# Altium PCB Slave.PcbDoc (part 1 of 10)
Units mm, origin at the board's own origin, x right, y up, seen from the top; angles counter-clockwise.
Board outline 380 x 63 mm, 4 copper layers (Top Copper, Signal Layer 1, Signal Layer 2, Bottom Copper), stack 1.586 mm thick; 259 components, 195 nets, 816 pads, 23336 vias.
Unrouted connection lines stored in the file: 47.
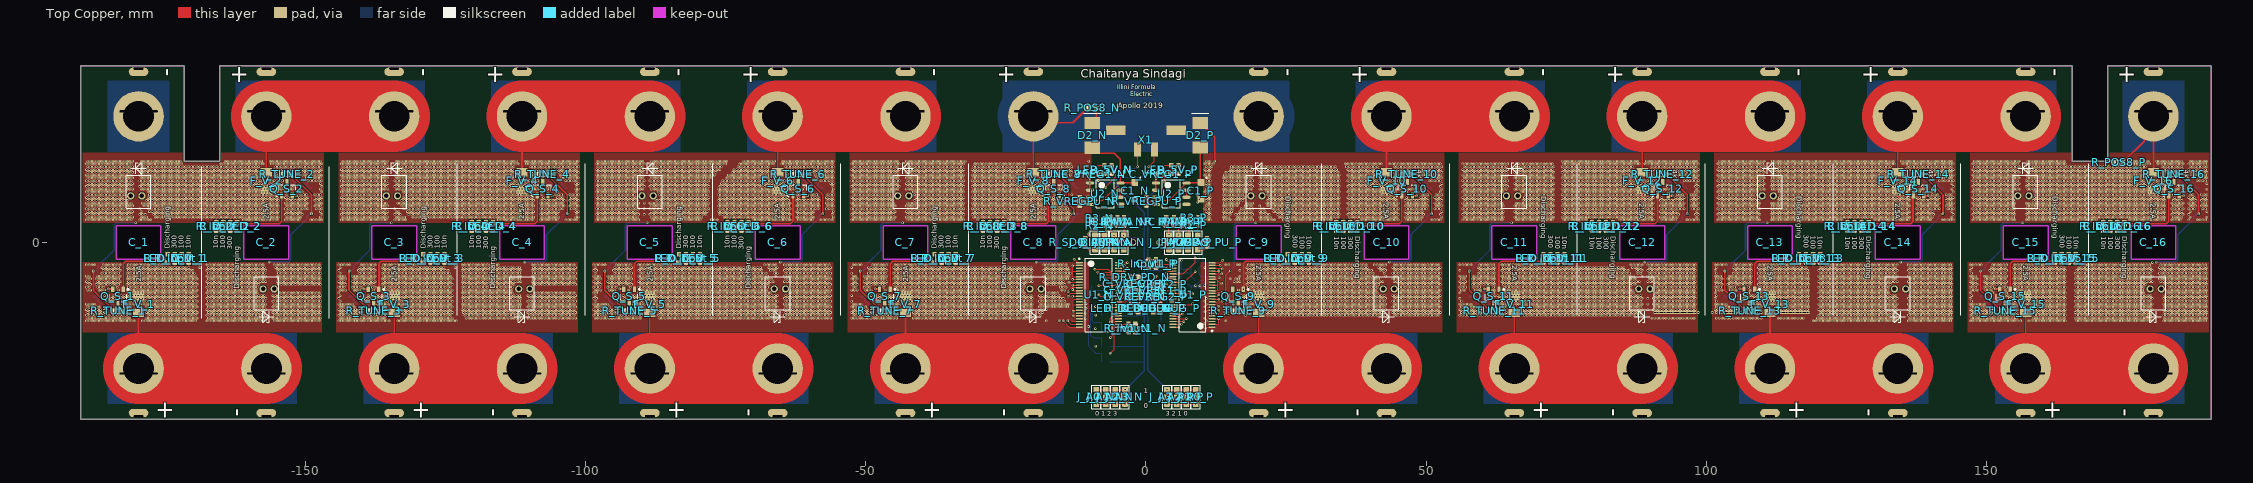
[diagram p0: Top Copper view]
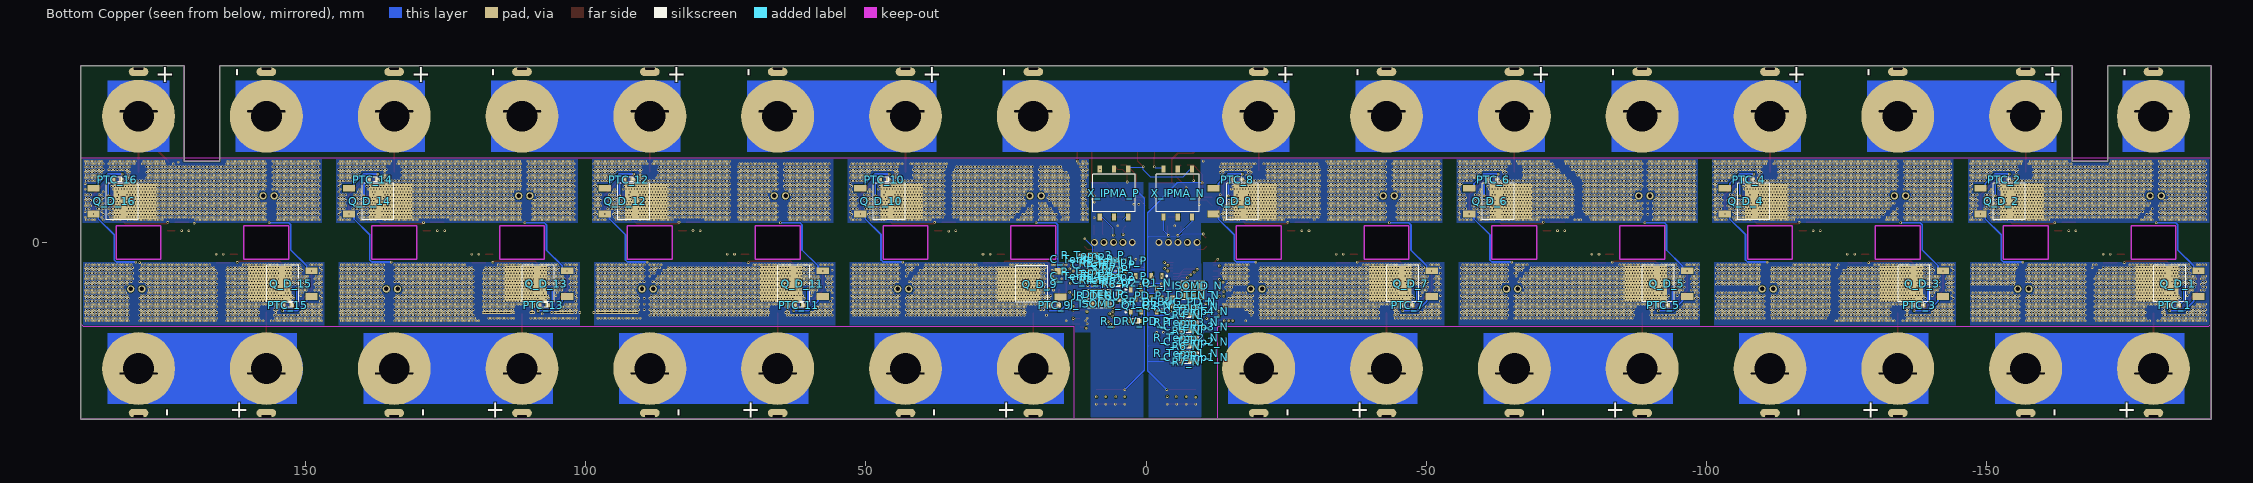
[diagram p1: Bottom Copper view, seen from below]
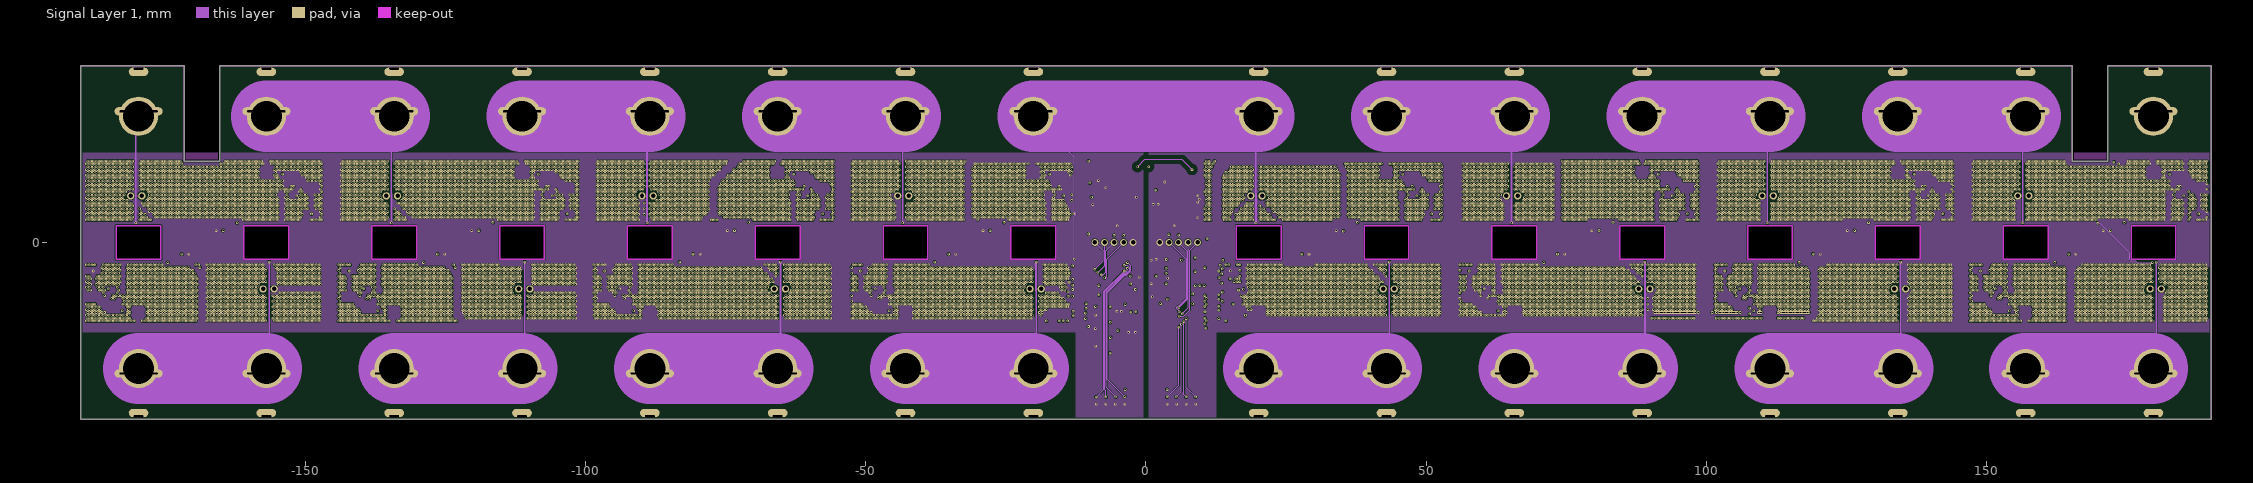
[diagram p2: Signal Layer 1]
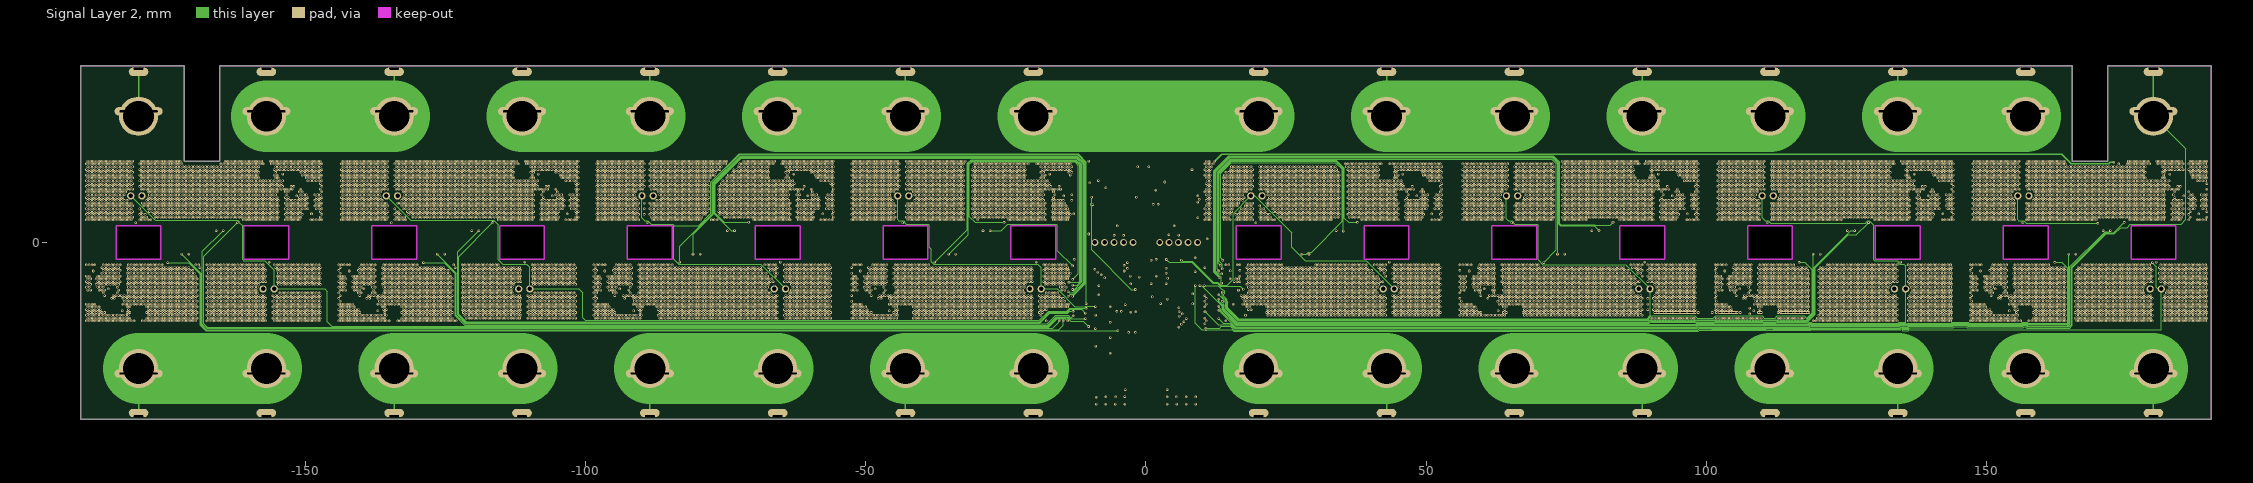
[diagram p3: Signal Layer 2]

## Layer stack, top to bottom
Top Mask: solder mask 0.01, Solder Resist, Dk 3.8
Top Copper: signal copper 0.035
Dielectric 1: prepreg 0.1803, PP-021, Dk 4.7
Signal Layer 1: signal copper 0.0175
Core: core 1.12, FR-4, Dk 4.5
Signal Layer 2: signal copper 0.0175
Dielectric 2: prepreg 0.1803, PP-021, Dk 4.7
Bottom Copper: signal copper 0.035
Bottom Mask: solder mask 0.1, Solder Resist, Dk 3.8

## Board outline
-190,-31.5 -190,31.5 -171.58,31.5 -171.58,14.5 -165.23,14.5 -165.23,31.5 165.23,31.5 165.23,14.5 171.58,14.5 171.58,31.5 190,31.5 190,-31.5

## Design rules (kind name [scope] priority, off if disabled: settings)
Clearance "Schematic Clearance Constraint" [InNetClass('ISO')] p1: gap=0.813 ignorepadtopadclearanceinfootprint=FALSE
Clearance "Board Outline" [OnLayer('Keep-Out Layer')] p2: gap=0.2 ignorepadtopadclearanceinfootprint=TRUE
Clearance [All] p3: gap=0.102 ignorepadtopadclearanceinfootprint=TRUE
ComponentClearance [All] p1: gap=0 collisioncheckmode=3 verticalgap=0 showdistances=FALSE
FanoutControl Fanout_SOIC [IsSOIC] p3: bgadir=Out bgaviamode=Centered fanoutstyle=Auto fanoutdirection=InThenOut viagrid=0.025 // Fanout_SOIC (Default Rule)
HoleSize [All] p1: absolutevalues=TRUE maxlimit=0.5 minlimit=0.2 maxpercent=80.000 minpercent=20.000
MinimumAnnularRing [All] p1: minimumring=0.076
PolygonConnect "Power components" [HasFootprint('FUSE1206') OR (HasFootprint('TO252') OR HasFootprint('NTC-0603'))] p1: connectstyle=Direct reliefconductorwidth=0.254 reliefentries=4 polygonreliefangle="90 Angle" airgapwidth=0.254
PolygonConnect [All] p2: thpad.connectstyle=Relief thpad.reliefconductorwidth=0.254 thpad.reliefentries=4 thpad.polygonreliefangle="90 Angle" thpad.airgapwidth=0.254 smdpad.connectstyle=Relief smdpad.reliefconductorwidth=0.254 smdpad.reliefentries=4 smdpad.polygonreliefangle="90 Angle" smdpad.airgapwidth=0.254 via.connectstyle=Direct via.reliefconductorwidth=0.254 via.reliefentries=4 via.polygonreliefangle="90 Angle" via.airgapwidth=0.254
RoomDefinition 16 [InComponentClass('16')] p1: confinementstyle=ConfineIn formatcopy=TRUE lockcomponents=FALSE outline 190,32.525 167.2,32.525 167.2,-32.5 190,-32.5
RoomDefinition 15 [InComponentClass('15')] p2: confinementstyle=ConfineIn formatcopy=TRUE lockcomponents=FALSE outline 144.4,-32.5 167.2,-32.5 167.2,32.525 144.4,32.525
RoomDefinition 12 [InComponentClass('12')] p3: confinementstyle=ConfineIn formatcopy=TRUE lockcomponents=FALSE outline 98.8,32.525 76,32.525 76,-32.5 98.8,-32.5
RoomDefinition 11 [InComponentClass('11')] p4: confinementstyle=ConfineIn formatcopy=TRUE lockcomponents=FALSE outline 53.2,-32.5 76,-32.5 76,32.525 53.2,32.525
RoomDefinition 10 [InComponentClass('10')] p5: confinementstyle=ConfineIn formatcopy=TRUE lockcomponents=FALSE outline 53.2,32.525 30.4,32.525 30.4,-32.5 53.2,-32.5
RoomDefinition 9 [InComponentClass('9')] p6: confinementstyle=ConfineIn formatcopy=TRUE lockcomponents=FALSE outline 7.6,-32.5 30.4,-32.5 30.4,32.525 7.6,32.525
RoomDefinition 8 [InComponentClass('8')] p7: confinementstyle=ConfineIn formatcopy=TRUE lockcomponents=FALSE outline -7.6,32.5 -30.4,32.5 -30.4,-32.525 -7.6,-32.525
RoomDefinition 7 [InComponentClass('7')] p8: confinementstyle=ConfineIn formatcopy=TRUE lockcomponents=FALSE outline -53.2,-32.525 -30.4,-32.525 -30.4,32.5 -53.2,32.5
RoomDefinition 6 [InComponentClass('6')] p9: confinementstyle=ConfineIn formatcopy=TRUE lockcomponents=FALSE outline -53.2,32.5 -76,32.5 -76,-32.525 -53.2,-32.525
RoomDefinition 5 [InComponentClass('5')] p10: confinementstyle=ConfineIn formatcopy=TRUE lockcomponents=FALSE outline -98.8,-32.525 -76,-32.525 -76,32.5 -98.8,32.5
RoomDefinition 4 [InComponentClass('4')] p11: confinementstyle=ConfineIn formatcopy=TRUE lockcomponents=FALSE outline -98.8,32.5 -121.6,32.5 -121.6,-32.525 -98.8,-32.525
RoomDefinition 3 [InComponentClass('3')] p12: confinementstyle=ConfineIn formatcopy=TRUE lockcomponents=FALSE outline -144.4,-32.525 -121.6,-32.525 -121.6,32.5 -144.4,32.5
RoomDefinition 2 [InComponentClass('2')] p13: confinementstyle=ConfineIn formatcopy=TRUE lockcomponents=FALSE outline -144.4,32.5 -167.2,32.5 -167.2,-32.525 -144.4,-32.525
RoomDefinition 1 [InComponentClass('1')] p14: confinementstyle=ConfineIn formatcopy=TRUE lockcomponents=FALSE outline -190,-32.525 -167.2,-32.525 -167.2,32.5 -190,32.5
RoomDefinition 14 [InComponentClass('14')] p15: confinementstyle=ConfineIn formatcopy=TRUE lockcomponents=FALSE outline 144.4,32.525 121.6,32.525 121.6,-32.5 144.4,-32.5
RoomDefinition 13 [InComponentClass('13')] p16: confinementstyle=ConfineIn formatcopy=TRUE lockcomponents=FALSE outline 98.8,-32.5 121.6,-32.5 121.6,32.525 98.8,32.525
RoutingVias [All] p1: holewidth=0.2 width=0.45 viastyle="Through Hole" minholewidth=0.2 minwidth=0.45 maxholewidth=0.4 maxwidth=1
SolderMaskExpansion [All] p1: expansion=0.102
ViasUnderSMD [All] p1: allowed=TRUE
Width [All] p1: maxlimit=10 minlimit=0.102 preferedwidth=0.254
27 further rules are at their usual default settings.

## Classes and differential pairs
net class ISO: IMA_ISO IPA_ISO
channel class Half_Slave: N P
channel class Cells: U_Cells1 U_Cells2
channel class Cell: 1 2 3 4 5 6 7 8 9 10 11 12 13 14 15 16
component class Slave: X1
component class P: C1_P C_IPMA_P C_Temp1_P C_Temp2_P C_Temp3_P C_Temp4_P C_V1_P C_VREF1_P C_VREF2_P C_VREG1_P C_VREG2_P D2_P J_A0_P J_A1_P J_A2_P J_A3_P J_DTEN_P J_IBIAS_P J_ICMP_P J_IMA_P J_IPA_P J_ISOMD_P LED_5V_P LED_DEBUG_P Q1_P Q2_P R2_P R3_P R4_P R5_P R6_P R7_P R_5V_P R_DEBUG_P R_DEBUG_PD_P R_DRV_PD_P R_IMA_P R_Input1_P R_IPA_P R_POS8_P R_SDO_PU_P R_Temp1_P R_Temp2_P R_Temp3_P R_Temp4_P R_VREGPU_P U1_P U2_P X_IPMA_P
component class N: C1_N C_IPMA_N C_Temp1_N C_Temp2_N C_Temp3_N C_Temp4_N C_V1_N C_VREF1_N C_VREF2_N C_VREG1_N C_VREG2_N D2_N J_A0_N J_A1_N J_A2_N J_A3_N J_DTEN_N J_IBIAS_N J_ICMP_N J_IMA_N J_IPA_N J_ISOMD_N LED_5V_N LED_DEBUG_N Q1_N Q2_N R2_N R3_N R4_N R5_N R6_N R7_N R_5V_N R_DEBUG_N R_DEBUG_PD_N R_DRV_PD_N R_IMA_N R_Input1_N R_IPA_N R_POS8_N R_SDO_PU_N R_Temp1_N R_Temp2_N R_Temp3_N R_Temp4_N R_VREGPU_N U1_N U2_N X_IPMA_N
component class 16: C_16 C_V_16 F_V_16 LED_D_16 PTC_16 Q_D_16 Q_S_16 R_D_LED_16 R_Input_16 R_TUNE_16
component class 15: C_15 C_V_15 F_V_15 LED_D_15 PTC_15 Q_D_15 Q_S_15 R_D_LED_15 R_Input_15 R_TUNE_15
component class 14: C_14 C_V_14 F_V_14 LED_D_14 PTC_14 Q_D_14 Q_S_14 R_D_LED_14 R_Input_14 R_TUNE_14
component class 13: C_13 C_V_13 F_V_13 LED_D_13 PTC_13 Q_D_13 Q_S_13 R_D_LED_13 R_Input_13 R_TUNE_13
component class 12: C_12 C_V_12 F_V_12 LED_D_12 PTC_12 Q_D_12 Q_S_12 R_D_LED_12 R_Input_12 R_TUNE_12
component class 11: C_11 C_V_11 F_V_11 LED_D_11 PTC_11 Q_D_11 Q_S_11 R_D_LED_11 R_Input_11 R_TUNE_11
component class 10: C_10 C_V_10 F_V_10 LED_D_10 PTC_10 Q_D_10 Q_S_10 R_D_LED_10 R_Input_10 R_TUNE_10
component class 9: C_9 C_V_9 F_V_9 LED_D_9 PTC_9 Q_D_9 Q_S_9 R_D_LED_9 R_Input_9 R_TUNE_9
component class 8: C_8 C_V_8 F_V_8 LED_D_8 PTC_8 Q_D_8 Q_S_8 R_D_LED_8 R_Input_8 R_TUNE_8
component class 7: C_7 C_V_7 F_V_7 LED_D_7 PTC_7 Q_D_7 Q_S_7 R_D_LED_7 R_Input_7 R_TUNE_7
component class 6: C_6 C_V_6 F_V_6 LED_D_6 PTC_6 Q_D_6 Q_S_6 R_D_LED_6 R_Input_6 R_TUNE_6
component class 5: C_5 C_V_5 F_V_5 LED_D_5 PTC_5 Q_D_5 Q_S_5 R_D_LED_5 R_Input_5 R_TUNE_5
component class 4: C_4 C_V_4 F_V_4 LED_D_4 PTC_4 Q_D_4 Q_S_4 R_D_LED_4 R_Input_4 R_TUNE_4
component class 3: C_3 C_V_3 F_V_3 LED_D_3 PTC_3 Q_D_3 Q_S_3 R_D_LED_3 R_Input_3 R_TUNE_3
component class 2: C_2 C_V_2 F_V_2 LED_D_2 PTC_2 Q_D_2 Q_S_2 R_D_LED_2 R_Input_2 R_TUNE_2
component class 1: C_1 C_V_1 F_V_1 LED_D_1 PTC_1 Q_D_1 Q_S_1 R_D_LED_1 R_Input_1 R_TUNE_1

## Components (designator, comment, footprint, x,y, rotation, side; value= is the part's Value field where it differs from the comment)
C1_N "CAP-1206" CAPCP3216X16N -2,9.2 r270 top (schematic designator C1)
C1_P "CAP-1206" CAPCP3216X16N 9.8,9.2 r270 top (schematic designator C1)
C_1 "Li1x7pVTC6T With Clip Mounts" Li1x7pVTC6T_Clips -179.7,0 r180 top (schematic designator C)
C_2 "Li1x7pVTC6T With Clip Mounts" Li1x7pVTC6T_Clips -156.9,0 r0 top (schematic designator C)
C_3 "Li1x7pVTC6T With Clip Mounts" Li1x7pVTC6T_Clips -134.1,0 r180 top (schematic designator C)
C_4 "Li1x7pVTC6T With Clip Mounts" Li1x7pVTC6T_Clips -111.3,0 r0 top (schematic designator C)
C_5 "Li1x7pVTC6T With Clip Mounts" Li1x7pVTC6T_Clips -88.5,0 r180 top (schematic designator C)
C_6 "Li1x7pVTC6T With Clip Mounts" Li1x7pVTC6T_Clips -65.7,0 r0 top (schematic designator C)
C_7 "Li1x7pVTC6T With Clip Mounts" Li1x7pVTC6T_Clips -42.9,0 r180 top (schematic designator C)
C_8 "Li1x7pVTC6T With Clip Mounts" Li1x7pVTC6T_Clips -20.1,0 r0 top (schematic designator C)
C_9 "Li1x7pVTC6T With Clip Mounts" Li1x7pVTC6T_Clips 20.1,0 r180 top (schematic designator C)
C_10 "Li1x7pVTC6T With Clip Mounts" Li1x7pVTC6T_Clips 42.9,0 r0 top (schematic designator C)
C_11 "Li1x7pVTC6T With Clip Mounts" Li1x7pVTC6T_Clips 65.7,0 r180 top (schematic designator C)
C_12 "Li1x7pVTC6T With Clip Mounts" Li1x7pVTC6T_Clips 88.5,0 r0 top (schematic designator C)
C_13 "Li1x7pVTC6T With Clip Mounts" Li1x7pVTC6T_Clips 111.3,0 r180 top (schematic designator C)
C_14 "Li1x7pVTC6T With Clip Mounts" Li1x7pVTC6T_Clips 134.1,0 r0 top (schematic designator C)
C_15 "Li1x7pVTC6T With Clip Mounts" Li1x7pVTC6T_Clips 156.9,0 r180 top (schematic designator C)
C_16 "Li1x7pVTC6T With Clip Mounts" Li1x7pVTC6T_Clips 179.7,0 r0 top (schematic designator C)
C_IPMA_N "CAP 10n" CAP-0603 -5.1,3.7 r90 top (schematic designator C_IPMA)
C_IPMA_P "CAP 10n" CAP-0603 5,3.7 r90 top (schematic designator C_IPMA)
C_Temp1_N "CAP 10n" CAP-0603 -9,-20.5 r90 bottom (schematic designator C_Temp1)
C_Temp1_P "CAP 10n" CAP-0603 7.5,-4 r270 bottom (schematic designator C_Temp1)
C_Temp2_N "CAP 10n" CAP-0603 -9,-17.75 r90 bottom (schematic designator C_Temp2)
C_Temp2_P "CAP 10n" CAP-0603 7.5,-6.75 r270 bottom (schematic designator C_Temp2)
C_Temp3_N "CAP 10n" CAP-0603 -9,-15 r90 bottom (schematic designator C_Temp3)
C_Temp3_P "CAP 10n" CAP-0603 11.5,-3 r270 bottom (schematic designator C_Temp3)
C_Temp4_N "CAP 10n" CAP-0603 -9,-12.25 r90 bottom (schematic designator C_Temp4)
C_Temp4_P "CAP 10n" CAP-0603 11.5,-6 r270 bottom (schematic designator C_Temp4)
C_V1_N "CAP 10n" CAP-0603 -3.1,-15.3 r90 top (schematic designator C_V1)
C_V1_P "CAP 10n" CAP-0603 1.81,-3.79 r270 top (schematic designator C_V1)
C_V_1 "10n" CAP-0603 -170.75,-2.85 r270 top (schematic designator C_V)
C_V_2 "10n" CAP-0603 -165.85,2.85 r90 top (schematic designator C_V)
C_V_3 "10n" CAP-0603 -125.15,-2.85 r270 top (schematic designator C_V)
C_V_4 "10n" CAP-0603 -120.25,2.85 r90 top (schematic designator C_V)
C_V_5 "10n" CAP-0603 -79.55,-2.85 r270 top (schematic designator C_V)
C_V_6 "10n" CAP-0603 -74.65,2.85 r90 top (schematic designator C_V)
C_V_7 "10n" CAP-0603 -33.95,-2.85 r270 top (schematic designator C_V)
C_V_8 "10n" CAP-0603 -29.05,2.85 r90 top (schematic designator C_V)
C_V_9 "10n" CAP-0603 29.05,-2.85 r270 top (schematic designator C_V)
C_V_10 "10n" CAP-0603 33.95,2.85 r90 top (schematic designator C_V)
C_V_11 "10n" CAP-0603 74.65,-2.85 r270 top (schematic designator C_V)
C_V_12 "10n" CAP-0603 79.55,2.85 r90 top (schematic designator C_V)
C_V_13 "10n" CAP-0603 120.25,-2.85 r270 top (schematic designator C_V)
C_V_14 "10n" CAP-0603 125.15,2.85 r90 top (schematic designator C_V)
C_V_15 "10n" CAP-0603 165.85,-2.85 r270 top (schematic designator C_V)
C_V_16 "10n" CAP-0603 170.75,2.85 r90 top (schematic designator C_V)
C_VREF1_N "CAP 1u" CAP-0603 -2,-8.57 r180 top (schematic designator C_VREF1)
C_VREF1_P "CAP 1u" CAP-0603 1.9,-8.6 r0 top (schematic designator C_VREF1)
C_VREF2_N "CAP 1u" CAP-0603 -2,-9.7 r180 top (schematic designator C_VREF2)
C_VREF2_P "CAP 1u" CAP-0603 1.9,-7.5 r0 top (schematic designator C_VREF2)
C_VREG1_N "CAP 1u" CAP-0603 -9.3,12.2 r180 top (schematic designator C_VREG1)
C_VREG1_P "CAP 1u" CAP-0603 2.6,12.2 r180 top (schematic designator C_VREG1)
C_VREG2_N "CAP 1u" CAP-0603 -2,-7.4 r180 top (schematic designator C_VREG2)
C_VREG2_P "CAP 1u" CAP-0603 1.9,-9.7 r0 top (schematic designator C_VREG2)
D2_N "?" SMB -9.6,19.1 r270 top (schematic designator D2)
D2_P "?" SMB 9.68,19.12 r270 top (schematic designator D2)
F_V_1 "2.5A" FUSE1206 -179.7,-11.025 r90 top (schematic designator F_V)
F_V_2 "2.5A" FUSE1206 -156.9,11.025 r270 top (schematic designator F_V)
F_V_3 "2.5A" FUSE1206 -134.1,-11.025 r90 top (schematic designator F_V)
F_V_4 "2.5A" FUSE1206 -111.3,11.025 r270 top (schematic designator F_V)
F_V_5 "2.5A" FUSE1206 -88.5,-11.025 r90 top (schematic designator F_V)
F_V_6 "2.5A" FUSE1206 -65.7,11.025 r270 top (schematic designator F_V)
F_V_7 "2.5A" FUSE1206 -42.9,-11.025 r90 top (schematic designator F_V)
F_V_8 "2.5A" FUSE1206 -20.1,11.025 r270 top (schematic designator F_V)
F_V_9 "2.5A" FUSE1206 20.1,-11.025 r90 top (schematic designator F_V)
F_V_10 "2.5A" FUSE1206 42.9,11.025 r270 top (schematic designator F_V)
F_V_11 "2.5A" FUSE1206 65.7,-11.025 r90 top (schematic designator F_V)
F_V_12 "2.5A" FUSE1206 88.5,11.025 r270 top (schematic designator F_V)
F_V_13 "2.5A" FUSE1206 111.3,-11.025 r90 top (schematic designator F_V)
F_V_14 "2.5A" FUSE1206 134.1,11.025 r270 top (schematic designator F_V)
F_V_15 "2.5A" FUSE1206 156.9,-11.025 r90 top (schematic designator F_V)
F_V_16 "2.5A" FUSE1206 179.7,11.025 r270 top (schematic designator F_V)
J_A0_N "DPDT Solder Jumper" "DPDT Solder" -8.85,-27.55 r90 top (schematic designator J_A0)
J_A0_P "DPDT Solder Jumper" "DPDT Solder" 8.85,-27.55 r90 top (schematic designator J_A0)
J_A1_N "DPDT Solder Jumper" "DPDT Solder" -7.15,-27.55 r90 top (schematic designator J_A1)
J_A1_P "DPDT Solder Jumper" "DPDT Solder" 7.15,-27.55 r90 top (schematic designator J_A1)
J_A2_N "DPDT Solder Jumper" "DPDT Solder" -5.45,-27.55 r90 top (schematic designator J_A2)
J_A2_P "DPDT Solder Jumper" "DPDT Solder" 5.45,-27.55 r90 top (schematic designator J_A2)
J_A3_N "DPDT Solder Jumper" "DPDT Solder" -3.75,-27.55 r90 top (schematic designator J_A3)
J_A3_P "DPDT Solder Jumper" "DPDT Solder" 3.75,-27.55 r90 top (schematic designator J_A3)
J_DTEN_N "DPDT Solder Jumper" "DPDT Solder" -8.4,-9.4 r180 bottom (schematic designator J_DTEN)
J_DTEN_P "DPDT Solder Jumper" "DPDT Solder" 8.3,-9.25 r0 bottom (schematic designator J_DTEN)
J_IBIAS_N "DPDT Solder Jumper" "DPDT Solder" -9.1,0 r90 top (schematic designator J_IBIAS)
J_IBIAS_P "DPDT Solder Jumper" "DPDT Solder" 9.2,0 r90 top (schematic designator J_IBIAS)
J_ICMP_N "DPDT Solder Jumper" "DPDT Solder" -7.4,0 r90 top (schematic designator J_ICMP)
J_ICMP_P "DPDT Solder Jumper" "DPDT Solder" 7.5,0 r90 top (schematic designator J_ICMP)
J_IMA_N "DPDT Solder Jumper" "DPDT Solder" -4,0 r90 top (schematic designator J_IMA)
J_IMA_P "DPDT Solder Jumper" "DPDT Solder" 5.8,0 r90 top (schematic designator J_IMA)
J_IPA_N "DPDT Solder Jumper" "DPDT Solder" -5.7,0 r90 top (schematic designator J_IPA)
J_IPA_P "DPDT Solder Jumper" "DPDT Solder" 4.1,0 r90 top (schematic designator J_IPA)
J_ISOMD_N "DPDT Solder Jumper" "DPDT Solder" -8.4,-7.7 r180 bottom (schematic designator J_ISOMD)
J_ISOMD_P "DPDT Solder Jumper" "DPDT Solder" 8.3,-10.95 r0 bottom (schematic designator J_ISOMD)
LED_5V_N "DEBUG" LED-0603 -7.4,13 r270 top (schematic designator LED_5V)
LED_5V_P "DEBUG" LED-0603 4.5,13 r270 top (schematic designator LED_5V)
LED_D_1 "Discharging" LED-0603 -174.5,-2.85 r270 top (schematic designator LED_D)
LED_D_2 "Discharging" LED-0603 -162.1,2.85 r90 top (schematic designator LED_D)
LED_D_3 "Discharging" LED-0603 -128.9,-2.85 r270 top (schematic designator LED_D)
LED_D_4 "Discharging" LED-0603 -116.5,2.85 r90 top (schematic designator LED_D)
LED_D_5 "Discharging" LED-0603 -83.3,-2.85 r270 top (schematic designator LED_D)
LED_D_6 "Discharging" LED-0603 -70.9,2.85 r90 top (schematic designator LED_D)
LED_D_7 "Discharging" LED-0603 -37.7,-2.85 r270 top (schematic designator LED_D)
LED_D_8 "Discharging" LED-0603 -25.3,2.85 r90 top (schematic designator LED_D)
LED_D_9 "Discharging" LED-0603 25.3,-2.85 r270 top (schematic designator LED_D)
LED_D_10 "Discharging" LED-0603 37.7,2.85 r90 top (schematic designator LED_D)
LED_D_11 "Discharging" LED-0603 70.9,-2.85 r270 top (schematic designator LED_D)
LED_D_12 "Discharging" LED-0603 83.3,2.85 r90 top (schematic designator LED_D)
LED_D_13 "Discharging" LED-0603 116.5,-2.85 r270 top (schematic designator LED_D)
LED_D_14 "Discharging" LED-0603 128.9,2.85 r90 top (schematic designator LED_D)
LED_D_15 "Discharging" LED-0603 162.1,-2.85 r270 top (schematic designator LED_D)
LED_D_16 "Discharging" LED-0603 174.5,2.85 r90 top (schematic designator LED_D)
LED_DEBUG_N "DEBUG" LED-0603 -2.7,-11.7 r90 top (schematic designator LED_DEBUG)
LED_DEBUG_P "DEBUG" LED-0603 2.6,-11.7 r270 top (schematic designator LED_DEBUG)
PTC_1 "PRF15BC102RB6RC" NTC-0603 -183.5,-11.2 r0 bottom (schematic designator PTC)
PTC_2 "PRF15BC102RB6RC" NTC-0603 -153.1,11.2 r180 bottom (schematic designator PTC)
PTC_3 "PRF15BC102RB6RC" NTC-0603 -137.9,-11.2 r0 bottom (schematic designator PTC)
PTC_4 "PRF15BC102RB6RC" NTC-0603 -107.5,11.2 r180 bottom (schematic designator PTC)
PTC_5 "PRF15BC102RB6RC" NTC-0603 -92.3,-11.2 r0 bottom (schematic designator PTC)
PTC_6 "PRF15BC102RB6RC" NTC-0603 -61.9,11.2 r180 bottom (schematic designator PTC)
PTC_7 "PRF15BC102RB6RC" NTC-0603 -46.7,-11.2 r0 bottom (schematic designator PTC)
PTC_8 "PRF15BC102RB6RC" NTC-0603 -16.3,11.2 r180 bottom (schematic designator PTC)
PTC_9 "PRF15BC102RB6RC" NTC-0603 16.3,-11.2 r0 bottom (schematic designator PTC)
PTC_10 "PRF15BC102RB6RC" NTC-0603 46.7,11.2 r180 bottom (schematic designator PTC)
PTC_11 "PRF15BC102RB6RC" NTC-0603 61.9,-11.2 r0 bottom (schematic designator PTC)
PTC_12 "PRF15BC102RB6RC" NTC-0603 92.3,11.2 r180 bottom (schematic designator PTC)
PTC_13 "PRF15BC102RB6RC" NTC-0603 107.5,-11.2 r0 bottom (schematic designator PTC)
PTC_14 "PRF15BC102RB6RC" NTC-0603 137.9,11.2 r180 bottom (schematic designator PTC)
PTC_15 "PRF15BC102RB6RC" NTC-0603 153.1,-11.2 r0 bottom (schematic designator PTC)
PTC_16 "PRF15BC102RB6RC" NTC-0603 183.5,11.2 r180 bottom (schematic designator PTC)
Q1_N "NMOS-SOT23" SOT23 -1.9,-7.2 r270 bottom (schematic designator Q1)
Q1_P "NMOS-SOT23" SOT23 1.8,-11.2 r90 bottom (schematic designator Q1)
Q2_N "NMOS-SOT23" SOT23 -1.9,-11.2 r270 bottom (schematic designator Q2)
Q2_P "NMOS-SOT23" SOT23 1.8,-7.2 r90 bottom (schematic designator Q2)
Q_D_1 "IRLR110TRPBF" TO252 -180.341,-7.371 r90 bottom (schematic designator Q_D)
Q_D_2 "IRLR110TRPBF" TO252 -156.259,7.371 r270 bottom (schematic designator Q_D)
Q_D_3 "IRLR110TRPBF" TO252 -134.741,-7.371 r90 bottom (schematic designator Q_D)
Q_D_4 "IRLR110TRPBF" TO252 -110.659,7.371 r270 bottom (schematic designator Q_D)
Q_D_5 "IRLR110TRPBF" TO252 -89.141,-7.371 r90 bottom (schematic designator Q_D)
Q_D_6 "IRLR110TRPBF" TO252 -65.059,7.371 r270 bottom (schematic designator Q_D)
Q_D_7 "IRLR110TRPBF" TO252 -43.541,-7.371 r90 bottom (schematic designator Q_D)
Q_D_8 "IRLR110TRPBF" TO252 -19.459,7.371 r270 bottom (schematic designator Q_D)
Q_D_9 "IRLR110TRPBF" TO252 22.659,-7.471 r90 bottom (schematic designator Q_D)
Q_D_10 "IRLR110TRPBF" TO252 43.541,7.371 r270 bottom (schematic designator Q_D)
Q_D_11 "IRLR110TRPBF" TO252 65.059,-7.371 r90 bottom (schematic designator Q_D)
Q_D_12 "IRLR110TRPBF" TO252 89.141,7.371 r270 bottom (schematic designator Q_D)
Q_D_13 "IRLR110TRPBF" TO252 110.659,-7.371 r90 bottom (schematic designator Q_D)
Q_D_14 "IRLR110TRPBF" TO252 134.741,7.371 r270 bottom (schematic designator Q_D)
Q_D_15 "IRLR110TRPBF" TO252 156.259,-7.371 r90 bottom (schematic designator Q_D)
Q_D_16 "IRLR110TRPBF" TO252 180.341,7.371 r270 bottom (schematic designator Q_D)
Q_S_1 "BSS84-7-F" SOT23 -183.375,-9.575 r270 top (schematic designator Q_S)
Q_S_2 "BSS84-7-F" SOT23 -153.225,9.575 r90 top (schematic designator Q_S)
Q_S_3 "BSS84-7-F" SOT23 -137.775,-9.575 r270 top (schematic designator Q_S)
Q_S_4 "BSS84-7-F" SOT23 -107.625,9.575 r90 top (schematic designator Q_S)
Q_S_5 "BSS84-7-F" SOT23 -92.175,-9.575 r270 top (schematic designator Q_S)
Q_S_6 "BSS84-7-F" SOT23 -62.025,9.575 r90 top (schematic designator Q_S)
Q_S_7 "BSS84-7-F" SOT23 -46.575,-9.575 r270 top (schematic designator Q_S)
Q_S_8 "BSS84-7-F" SOT23 -16.425,9.575 r90 top (schematic designator Q_S)
Q_S_9 "BSS84-7-F" SOT23 16.425,-9.575 r270 top (schematic designator Q_S)
Q_S_10 "BSS84-7-F" SOT23 46.575,9.575 r90 top (schematic designator Q_S)
Q_S_11 "BSS84-7-F" SOT23 62.025,-9.575 r270 top (schematic designator Q_S)
Q_S_12 "BSS84-7-F" SOT23 92.175,9.575 r90 top (schematic designator Q_S)
Q_S_13 "BSS84-7-F" SOT23 107.625,-9.575 r270 top (schematic designator Q_S)
Q_S_14 "BSS84-7-F" SOT23 137.775,9.575 r90 top (schematic designator Q_S)
Q_S_15 "BSS84-7-F" SOT23 153.225,-9.575 r270 top (schematic designator Q_S)
Q_S_16 "BSS84-7-F" SOT23 183.375,9.575 r90 top (schematic designator Q_S)
R2_N "1K" RES-0603#1 -8.3,3 r180 top value=? (schematic designator R2)
R2_P "1K" RES-0603#1 8.5,3.1 r0 top value=? (schematic designator R2)
R3_N "1K" RES-0603#1 -8.3,4.3 r0 top value=? (schematic designator R3)
R3_P "1K" RES-0603#1 8.5,4.4 r180 top value=? (schematic designator R3)
R4_N "1K" RES-0603#2 -7.15,-13 r0 bottom (schematic designator R4)
R4_P "1K" RES-0603#2 9.5,-6.75 r180 bottom (schematic designator R4)
R5_N "1K" RES-0603#2 -7.15,-15.75 r0 bottom (schematic designator R5)
R5_P "1K" RES-0603#2 9.5,-3.75 r180 bottom (schematic designator R5)
R6_N "1K" RES-0603#2 -7.15,-18.5 r0 bottom (schematic designator R6)
R6_P "1K" RES-0603#2 5.5,-7.5 r180 bottom (schematic designator R6)
R7_N "1K" RES-0603#2 -7.15,-21.25 r0 bottom (schematic designator R7)
R7_P "1K" RES-0603#2 5.5,-4.75 r180 bottom (schematic designator R7)
R_5V_N "500" RES-0603#2 -6.172,13 r270 top (schematic designator R_5V)
R_5V_P "500" RES-0603#2 5.776,13 r270 top (schematic designator R_5V)
R_D_LED_1 "300" RES-0603#2 -173.25,-2.85 r270 top (schematic designator R_D_LED)
R_D_LED_2 "300" RES-0603#2 -163.35,2.85 r90 top (schematic designator R_D_LED)
R_D_LED_3 "300" RES-0603#2 -127.65,-2.85 r270 top (schematic designator R_D_LED)
R_D_LED_4 "300" RES-0603#2 -117.75,2.85 r90 top (schematic designator R_D_LED)
R_D_LED_5 "300" RES-0603#2 -82.05,-2.85 r270 top (schematic designator R_D_LED)
R_D_LED_6 "300" RES-0603#2 -72.15,2.85 r90 top (schematic designator R_D_LED)
R_D_LED_7 "300" RES-0603#2 -36.45,-2.85 r270 top (schematic designator R_D_LED)
R_D_LED_8 "300" RES-0603#2 -26.55,2.85 r90 top (schematic designator R_D_LED)
R_D_LED_9 "300" RES-0603#2 26.55,-2.85 r270 top (schematic designator R_D_LED)
R_D_LED_10 "300" RES-0603#2 36.45,2.85 r90 top (schematic designator R_D_LED)
R_D_LED_11 "300" RES-0603#2 72.15,-2.85 r270 top (schematic designator R_D_LED)
R_D_LED_12 "300" RES-0603#2 82.05,2.85 r90 top (schematic designator R_D_LED)
R_D_LED_13 "300" RES-0603#2 117.75,-2.85 r270 top (schematic designator R_D_LED)
R_D_LED_14 "300" RES-0603#2 127.65,2.85 r90 top (schematic designator R_D_LED)
R_D_LED_15 "300" RES-0603#2 163.35,-2.85 r270 top (schematic designator R_D_LED)
R_D_LED_16 "300" RES-0603#2 173.25,2.85 r90 top (schematic designator R_D_LED)
R_DEBUG_N "RES 500" RES-0603#2 -1.4,-11.75 r90 top (schematic designator R_DEBUG)
R_DEBUG_P "RES 500" RES-0603#2 1.3,-11.7 r270 top (schematic designator R_DEBUG)
R_DEBUG_PD_N "100K" RES-0603#2 -4.765,-10.617 r90 bottom (schematic designator R_DEBUG_PD)
R_DEBUG_PD_P "100K" RES-0603#2 4.75,-9.521 r90 bottom (schematic designator R_DEBUG_PD)
R_DRV_PD_N "100K" RES-0603#2 -2,-6.188 r180 top (schematic designator R_DRV_PD)
R_DRV_PD_P "100K" RES-0603#2 1.949,-14.043 r0 bottom (schematic designator R_DRV_PD)
R_IMA_N "RES 50" RES-0603#2 -3.9,3.7 r270 top (schematic designator R_IMA)
R_IMA_P "RES 50" RES-0603#2 6.4,3.7 r270 top (schematic designator R_IMA)
R_Input1_N "RES 100" RES-0603#2 -1.9,-15.3 r270 top (schematic designator R_Input1)
R_Input1_P "RES 100" RES-0603#2 0.42,-3.81 r90 top (schematic designator R_Input1)
R_Input_1 "100" RES-0603#2 -172,-2.85 r90 top (schematic designator R_Input)
R_Input_2 "100" RES-0603#2 -164.6,2.85 r270 top (schematic designator R_Input)
R_Input_3 "100" RES-0603#2 -126.4,-2.85 r90 top (schematic designator R_Input)
R_Input_4 "100" RES-0603#2 -119,2.85 r270 top (schematic designator R_Input)
R_Input_5 "100" RES-0603#2 -80.8,-2.85 r90 top (schematic designator R_Input)
R_Input_6 "100" RES-0603#2 -73.4,2.85 r270 top (schematic designator R_Input)
R_Input_7 "100" RES-0603#2 -35.2,-2.85 r90 top (schematic designator R_Input)
R_Input_8 "100" RES-0603#2 -27.8,2.85 r270 top (schematic designator R_Input)
R_Input_9 "100" RES-0603#2 27.8,-2.85 r90 top (schematic designator R_Input)
R_Input_10 "100" RES-0603#2 35.2,2.85 r270 top (schematic designator R_Input)
R_Input_11 "100" RES-0603#2 73.4,-2.85 r90 top (schematic designator R_Input)
R_Input_12 "100" RES-0603#2 80.8,2.85 r270 top (schematic designator R_Input)
R_Input_13 "100" RES-0603#2 119,-2.85 r90 top (schematic designator R_Input)
R_Input_14 "100" RES-0603#2 126.4,2.85 r270 top (schematic designator R_Input)
R_Input_15 "100" RES-0603#2 164.6,-2.85 r90 top (schematic designator R_Input)
R_Input_16 "100" RES-0603#2 172,2.85 r270 top (schematic designator R_Input)
R_IPA_N "RES 50" RES-0603#2 -6.3,3.7 r270 top (schematic designator R_IPA)
R_IPA_P "RES 50" RES-0603#2 3.6,3.7 r270 top (schematic designator R_IPA)
R_POS8_N "10" RES-0603#2 -9.6,24 r180 top (schematic designator R_POS8)
R_POS8_P "10" RES-0603#2 173.5,14.284 r0 top (schematic designator R_POS8)
R_SDO_PU_N "5K" RES-0603#2 -10.9,0 r90 top (schematic designator R_SDO_PU)
R_SDO_PU_P "5K" RES-0603#2 10.9,0 r90 top (schematic designator R_SDO_PU)
R_Temp1_N "RES 100" RES-0603#2 -7.15,-19.75 r0 bottom (schematic designator R_Temp1)
R_Temp1_P "RES 100" RES-0603#2 5.5,-3.25 r180 bottom (schematic designator R_Temp1)
R_Temp2_N "RES 100" RES-0603#2 -7.15,-17 r0 bottom (schematic designator R_Temp2)
R_Temp2_P "RES 100" RES-0603#2 5.5,-6 r180 bottom (schematic designator R_Temp2)
R_Temp3_N "RES 100" RES-0603#2 -7.15,-14.25 r0 bottom (schematic designator R_Temp3)
R_Temp3_P "RES 100" RES-0603#2 9.5,-2.25 r180 bottom (schematic designator R_Temp3)
R_Temp4_N "RES 100" RES-0603#2 -7.15,-11.5 r0 bottom (schematic designator R_Temp4)
R_Temp4_P "RES 100" RES-0603#2 9.5,-5.25 r180 bottom (schematic designator R_Temp4)
R_TUNE_1 "4K" RES-0603#2 -183.325,-12.2 r0 top (schematic designator R_TUNE)
R_TUNE_2 "4K" RES-0603#2 -153.275,12.2 r180 top (schematic designator R_TUNE)
R_TUNE_3 "4K" RES-0603#2 -137.725,-12.2 r0 top (schematic designator R_TUNE)
R_TUNE_4 "4K" RES-0603#2 -107.675,12.2 r180 top (schematic designator R_TUNE)
R_TUNE_5 "4K" RES-0603#2 -92.125,-12.2 r0 top (schematic designator R_TUNE)
R_TUNE_6 "4K" RES-0603#2 -62.075,12.2 r180 top (schematic designator R_TUNE)
R_TUNE_7 "4K" RES-0603#2 -46.525,-12.2 r0 top (schematic designator R_TUNE)
R_TUNE_8 "4K" RES-0603#2 -16.475,12.2 r180 top (schematic designator R_TUNE)
R_TUNE_9 "4K" RES-0603#2 16.475,-12.2 r0 top (schematic designator R_TUNE)
R_TUNE_10 "4K" RES-0603#2 46.525,12.2 r180 top (schematic designator R_TUNE)
R_TUNE_11 "4K" RES-0603#2 62.075,-12.2 r0 top (schematic designator R_TUNE)
R_TUNE_12 "4K" RES-0603#2 92.125,12.2 r180 top (schematic designator R_TUNE)
R_TUNE_13 "4K" RES-0603#2 107.675,-12.2 r0 top (schematic designator R_TUNE)
R_TUNE_14 "4K" RES-0603#2 137.725,12.2 r180 top (schematic designator R_TUNE)
R_TUNE_15 "4K" RES-0603#2 153.275,-12.2 r0 top (schematic designator R_TUNE)
R_TUNE_16 "4K" RES-0603#2 183.325,12.2 r180 top (schematic designator R_TUNE)
R_VREGPU_N "10K" RES-0603#2 -11.8,7.3 r270 top (schematic designator R_VREGPU)
R_VREGPU_P "10K" RES-0603#2 0.1,7.3 r270 top (schematic designator R_VREGPU)
U1_N "LT-LTC6811-2-G-48" SSOP-48N -8.4,-9.35 r0 top (schematic designator U1)
U1_P "LT-LTC6811-2-G-48" SSOP-48N 8.3,-9.35 r180 top (schematic designator U1)
U2_N "TI-LP2951-50D8" SOIC127P600X175-8N -7.3,8.7 r0 top (schematic designator U2)
U2_P "TI-LP2951-50D8" SOIC127P600X175-8N 4.5,8.7 r0 top (schematic designator U2)
X1 "Molex - Micro-Fit 3.0 Series connector,  3.00mm (0.118\") pitch header, 2 positions." 43650-0224 0,20 r180 top
X_IPMA_N "HM2101NL" HM2101 -5.682,8.8 r0 bottom (schematic designator X_IPMA)
X_IPMA_P "HM2101NL" HM2101 5.721,8.8 r0 bottom (schematic designator X_IPMA)

## Footprints (in the part's own frame and the unit in brackets; to place one, negate y for a bottom-side part, rotate by r counter-clockwise, add the part's x,y. Pads: shape width x height; smd on the part's side, far side on the other; paste and mask are expansions set on the pad)
43650-0224 [mm]
  rect 1.27x2.54 smd: P$1(1.5,3.43) P$2(-1.5,3.43)
  rect 3.43x1.65 smd: TAB1(5.39,0) TAB2(-5.39,0)
  body extent -6.82,-2.47 6.83,4.1, height 9.95
CAP-0603 [mm]
  rect 0.8x0.75 smd: 1(-0.75,0) 2(0.75,0)
  silkscreen extent -0.8,-0.4 0.8,0.4, body extent -0.8,-0.4 0.8,0.42, height 0.81
CAPCP3216X16N [mm] "Chip Capacitor, 2-Leads, Body 3.20x1.60mm, IPC Medium Density"
  rect 1.2x1.2 smd: 1(-1.5,0) 2(1.5,0)
  silkscreen extent -2.4,0.9 -2.2,1.1, body extent -1.7,-0.9 1.7,0.9, height 1.7
"DPDT Solder" [mm]
  rrect20% 1x1 smd mask+0.2: 1(-1.3,0) 2(1.3,0) 3(0,0)
  silkscreen extent -2.1,-0.8 2.1,0.8
FUSE1206 [mm]
  rect 1.52x2.03 smd: 1(-1.52,0) 2(1.52,0)
  body extent -1.7,-0.9 1.7,0.9, height 1.17
HM2101 [mm]
  rect 0.76x1.27 smd: 1(-2.54,-4.3) 2(0,-4.3) 3(2.54,-4.3) 4(2.54,4.3) 5(0,4.3) 6(-2.54,4.3)
  silkscreen extent -3.81,-3.36 3.81,3.36, body extent -3.81,-4.45 3.81,4.44, height 5.71
LED-0603 [mm]
  rect 0.8x0.75 smd: A(-0.75,0) K(0.75,0)
  silkscreen extent 0,-0.4 0.8,0.4, body extent -0.8,-0.4 0.8,0.4, height 0.53
Li1x7pVTC6T_Clips [mm]
  rrect100% 3.5x1.5 hole 0.35 slot 1.7 at 0 deg: +(-2.54,23.38) +(2.54,23.38) -(-2.54,-23.38) -(2.54,-23.38)
  rrect100% 3.5x1.5 hole 0.35 slot 1.7 at 0 deg copper offset 0,-0.575: +(0,31)
  round 9 / inner round 7 / far side round 13 hole 5.5: +(0,22.5) -(0,-22.5)
  rrect100% 3.5x1.5 hole 0.35 slot 1.7 at 0 deg copper offset 0,0.575: -(0,-31)
  round 1.3 hole 0.8: T+(1.4,-8.3) T-(-0.6,-8.3)
  Bottom Copper region: -5.5,-28.85 5.5,-28.85 5.5,-16.15 -5.5,-16.15
  Bottom Copper region: -5.5,16.15 5.5,16.15 5.5,28.85 -5.5,28.85
  Keep-Out Layer board cut-out: -4,3 4,3 4,-3 -4,-3
  Keep-Out Layer region: -4,-3 4,-3 4,3 -4,3
  silkscreen extent -2.2,-14.25 2.2,-6.1, body extent -2.2,-12.05 2.2,-6.15, height 2.93
NTC-0603 [mm]
  rect 0.8x0.75 smd: 1(-0.75,0) 2(0.75,0)
  silkscreen extent -0.8,-0.4 0.8,0.4, body extent -0.8,-0.4 0.8,0.42, height 0.81
RES-0603#1 [mm] "Chip Resistor, 2-Leads, Body 1.58x0.85mm, IPC Medium Density"
  rect 0.5x0.9 smd: 1(-0.75,0) 2(0.75,0)
  body extent -0.82,-0.48 0.82,0.48, height 0.5
RES-0603#2 [mm]
  rect 0.8x0.75 smd: 1(-0.75,0) 2(0.75,0)
  silkscreen extent -0.8,-0.4 0.8,0.4, body extent -0.8,-0.4 0.8,0.4, height 0.44
SMB [mm]
  rect 2.159x2.743 smd: A(2.21,0) K(-2.21,0)
  silkscreen extent -3.9,-1.5 -3.9,1.5, body extent -2.79,-1.97 2.8,1.97, height 2.5
SOIC127P600X175-8N [mm] "SOIC, 8-Leads, Body 4.90x3.90mm, Pitch 1.27mm, IPC Medium Density"
  oval 1.45x0.6 smd: 1(-2.725,1.905) 2(-2.725,0.635) 3(-2.725,-0.635) 4(-2.725,-1.905) 5(2.725,-1.905) 6(2.725,-0.635) 7(2.725,0.635) 8(2.725,1.905)
  silkscreen extent -2.85,-2.5 1.6,2.88, body extent -3,-2.5 3,2.5, height 1.75
SOT23 [mm] "SOT23, 3-Leads, Body 2.90x2.37mm, Pitch 0.95mm, IPC Medium Density"
  rect 1x0.6 smd: 1(-1.2,0.95) 2(-1.2,-0.95) 3(1.2,0)
  silkscreen extent -1.32,-1.55 0.7,1.92, body extent -1.32,-1.53 1.32,1.52, height 1.11
SSOP-48N [mm]
  oval 1.25x0.25 smd: 1(-3.5,5.75) 2(-3.5,5.25) 3(-3.5,4.75) 4(-3.5,4.25) 5(-3.5,3.75) 6(-3.5,3.25) 7(-3.5,2.75) 8(-3.5,2.25) 9(-3.5,1.75) 10(-3.5,1.25) 11(-3.5,0.75) 12(-3.5,0.25) 13(-3.5,-0.25) 14(-3.5,-0.75) 15(-3.5,-1.25) 16(-3.5,-1.75) 17(-3.5,-2.25) 18(-3.5,-2.75) 19(-3.5,-3.25) 20(-3.5,-3.75) 21(-3.5,-4.25) 22(-3.5,-4.75) 23(-3.5,-5.25) 24(-3.5,-5.75) 25(3.5,-5.75) 26(3.5,-5.25) 27(3.5,-4.75) 28(3.5,-4.25) 29(3.5,-3.75) 30(3.5,-3.25) 31(3.5,-2.75) 32(3.5,-2.25) 33(3.5,-1.75) 34(3.5,-1.25) 35(3.5,-0.75) 36(3.5,-0.25) 37(3.5,0.25) 38(3.5,0.75) 39(3.5,1.25) 40(3.5,1.75) 41(3.5,2.25) 42(3.5,2.75) 43(3.5,3.25) 44(3.5,3.75) 45(3.5,4.25) 46(3.5,4.75) 47(3.5,5.25) 48(3.5,5.75)
  silkscreen extent -3.62,-6.55 2.4,6.55, body extent -3.9,-6.55 3.9,6.55, height 2
TO252 [mm]
  rect 1.2x2.2 smd: 1(-2.279,-7.409) 3(2.321,-7.409)
  rect 6.35x7.62 smd: 2(0.021,-0.009)
  silkscreen extent -3.2,-5.1 3.3,0.6, body extent -3.22,-7.29 3.28,1.41, height 2.3

## Part data
C_1 C_2 C_3 C_4 C_5 C_6 C_7 C_8 C_9 C_10 C_11 C_12 C_13 C_14 C_15 C_16: library part Li1x7pVTC6T_Clip
C_IPMA_N C_IPMA_P C_Temp1_N C_Temp1_P C_Temp2_N C_Temp2_P C_Temp3_N C_Temp3_P C_Temp4_N C_Temp4_P C_V1_N C_V1_P C_V_1 C_V_2 C_V_3 C_V_4 C_V_5 C_V_6 C_V_7 C_V_8 C_V_9 C_V_10 C_V_11 C_V_12 C_V_13 C_V_14 C_V_15 C_V_16 C_VREF1_N C_VREF1_P C_VREF2_N C_VREF2_P C_VREG1_N C_VREG1_P C_VREG2_N C_VREG2_P: library part CAP-0603, "CAP-0603"
D2_N D2_P: library part DIODE-SMB
F_V_1 F_V_2 F_V_3 F_V_4 F_V_5 F_V_6 F_V_7 F_V_8 F_V_9 F_V_10 F_V_11 F_V_12 F_V_13 F_V_14 F_V_15 F_V_16: library part FUSE-1206
J_A0_N J_A0_P J_A1_N J_A1_P J_A2_N J_A2_P J_A3_N J_A3_P J_DTEN_N J_DTEN_P J_IBIAS_N J_IBIAS_P J_ICMP_N J_ICMP_P J_IMA_N J_IMA_P J_IPA_N J_IPA_P J_ISOMD_N J_ISOMD_P: library part "DPDT Solder"
LED_5V_N LED_5V_P LED_D_1 LED_D_2 LED_D_3 LED_D_4 LED_D_5 LED_D_6 LED_D_7 LED_D_8 LED_D_9 LED_D_10 LED_D_11 LED_D_12 LED_D_13 LED_D_14 LED_D_15 LED_D_16 LED_DEBUG_N LED_DEBUG_P: library part LED-0603, "LED-0603"
PTC_1 PTC_2 PTC_3 PTC_4 PTC_5 PTC_6 PTC_7 PTC_8 PTC_9 PTC_10 PTC_11 PTC_12 PTC_13 PTC_14 PTC_15 PTC_16: library part NTC-0603
Q_D_1 Q_D_2 Q_D_3 Q_D_4 Q_D_5 Q_D_6 Q_D_7 Q_D_8 Q_D_9 Q_D_10 Q_D_11 Q_D_12 Q_D_13 Q_D_14 Q_D_15 Q_D_16: library part NMOS-TO252, Package=TO252, DeviceSetName=DMP10H400SK3-13, GateName_1=G$1, LibraryName=IFE_Transistors, SymbolName_1=LABELED-PMOS
Q_S_1 Q_S_2 Q_S_3 Q_S_4 Q_S_5 Q_S_6 Q_S_7 Q_S_8 Q_S_9 Q_S_10 Q_S_11 Q_S_12 Q_S_13 Q_S_14 Q_S_15 Q_S_16: library part PMOS-SOT23
R2_N R2_P R3_N R3_P: library part RES_0603, "RES SMD 0603", Package=0603, Company=IFE, Part=RES_0603
R4_N R4_P R5_N R5_P R6_N R6_P R7_N R7_P R_5V_N R_5V_P R_D_LED_1 R_D_LED_2 R_D_LED_3 R_D_LED_4 R_D_LED_5 R_D_LED_6 R_D_LED_7 R_D_LED_8 R_D_LED_9 R_D_LED_10 R_D_LED_11 R_D_LED_12 R_D_LED_13 R_D_LED_14 R_D_LED_15 R_D_LED_16 R_DEBUG_N R_DEBUG_P R_DEBUG_PD_N R_DEBUG_PD_P R_DRV_PD_N R_DRV_PD_P R_IMA_N R_IMA_P R_Input1_N R_Input1_P R_Input_1 R_Input_2 R_Input_3 R_Input_4 R_Input_5 R_Input_6 R_Input_7 R_Input_8 R_Input_9 R_Input_10 R_Input_11 R_Input_12 R_Input_13 R_Input_14 R_Input_15 R_Input_16 R_IPA_N R_IPA_P R_POS8_N R_POS8_P R_SDO_PU_N R_SDO_PU_P R_Temp1_N R_Temp1_P R_Temp2_N R_Temp2_P R_Temp3_N R_Temp3_P R_Temp4_N R_Temp4_P R_TUNE_1 R_TUNE_2 R_TUNE_3 R_TUNE_4 R_TUNE_5 R_TUNE_6 R_TUNE_7 R_TUNE_8 R_TUNE_9 R_TUNE_10 R_TUNE_11 R_TUNE_12 R_TUNE_13 R_TUNE_14 R_TUNE_15 R_TUNE_16 R_VREGPU_N R_VREGPU_P: library part RES-0603
X1: library part POS2_MF43650-0224, Package=43650-0224, DeviceName=43650-0224, DeviceSetName=HEADER_POS2_?, GateName_1=G$1, LibraryName="MOLEX Micro-Fit", SymbolName_1=HEADER_POS2

## Via types
v1: diameter 0.45, hole 0.2, Top Copper to Bottom Copper, tented both sides, 23076 vias
v2: diameter 0.45, hole 0.2, Top Copper to Bottom Copper, 250 vias
v3: diameter 1.2, hole 0.8, Top Copper to Bottom Copper, 10 vias

## Nets (pads, with @x,y where several pads share a name; then routed paths per layer and width w, separated by ;. In a path a pad name is that pad's centre, name@x,y a point inside that pad or via, vN(x,y) a via of type N, cw(c..) or ccw(c..) an arc to the next point about the centre after c; other vN are vias at no path point)
5V_N: C_VREG1_N.2 C_VREG2_N.2 J_A0_N.2 J_A1_N.2 J_A2_N.2 J_A3_N.2 J_DTEN_N.2 J_ISOMD_N.2 LED_5V_N.A LED_DEBUG_N.A R4_N.2 R5_N.2 R6_N.2 R7_N.2 R_SDO_PU_N.2 U1_N.37 U2_N.1 U2_N.2 | length 109.5
  Top Copper w0.102: R_SDO_PU_N.2@-10.74,0.75 -10.25,1.24 v2(-10.25,1.5) ; C_VREG1_N.2@-10.05,12.2 -10.025,12.2 -9.701,12.524 -9.701,12.549 -8.5,13.75 LED_5V_N.A@-7.4,13.75 ; J_A0_N.2@-8.85,-26.25 J_A1_N.2@-7.15,-26.25 J_A2_N.2@-5.45,-26.25 J_A3_N.2@-3.75,-26.25 ; U1_N.37@-4.9,-9.1 -4.44,-9.1 -4.372,-9.031 -4.372,-9.022 -3.099,-7.749 -3.099,-7.724 -2.775,-7.4 v2(-2.75,-7.4) ; LED_DEBUG_N.A@-2.7,-12.45 v2(-2.7,-12.435)
  Top Copper w0.254: C_VREG1_N.2@-10.05,12.2 -10.025,12.175 v2(-10.025,10.605) U2_N.2@-10.025,9.335
  Bottom Copper w0.102: v2(-10.25,1.5) -6.458,1.5 -5.838,0.88 -0.42,0.88 -0.3,1 ; J_DTEN_N.2@-9.7,-9.4 -9.7,-8.55 ; J_ISOMD_N.2@-9.7,-7.7 -9.7,-8.55 ; R7_N.2@-6.4,-21.25 -0.35,-21.25 -0.3,-21.2 ; R6_N.2@-6.4,-18.5 -0.4,-18.5 -0.3,-18.6 ; R5_N.2@-6.4,-15.75 -6.375,-15.75 -6.051,-15.426 -6.051,-15.401 -5.75,-15.1 -0.3,-15.1 ; R4_N.2@-6.4,-13 -6.348,-13.052 -2.678,-13.052 ; v2(-2.75,-7.4) -0.3,-7.4 ; v2(-2.7,-12.435) -2.7,-13.031 -2.678,-13.052 ; -0.3,-13 -1.484,-13 -1.537,-13.052 -2.678,-13.052 ; -0.3,-9.2 -2.6,-9.2 -3.25,-8.55 -9.7,-8.55
  Bottom Copper w0.254: v2(-10.025,10.605) -5.605,10.605 -0.3,5.3 -0.3,1 -0.3,-7.4 -0.3,-9.2 -0.3,-13 -0.3,-15.1 -0.3,-18.6 -0.3,-21.2 -0.3,-22.85 v2(-3.7,-26.25)
5V_P: C_VREG1_P.2 C_VREG2_P.2 J_A0_P.2 J_A1_P.2 J_A2_P.2 J_A3_P.2 J_DTEN_P.2 J_ISOMD_P.2 LED_5V_P.A LED_DEBUG_P.A R4_P.2 R5_P.2 R6_P.2 R7_P.2 R_SDO_PU_P.2 U1_P.37 U2_P.1 U2_P.2 | length 77.3
  Top Copper w0.102: C_VREG1_P.2@1.85,12.2 1.875,12.2 2.199,12.524 2.199,12.549 3.4,13.75 LED_5V_P.A@4.5,13.75 ; LED_DEBUG_P.A@2.65,-10.9 C_VREG2_P.2@2.65,-9.7 4.166,-9.7 4.266,-9.6 U1_P.37@4.8,-9.6 ; v2(3.75,-26.25) J_A2_P.2@5.45,-26.25 J_A1_P.2@7.15,-26.25 J_A0_P.2@8.85,-26.25
  Top Copper w0.254: v2(1.775,9.335) U2_P.1@1.775,10.605 1.775,12.125 C_VREG1_P.2@1.85,12.2
  Bottom Copper w0.102: 0.3,-11.5 0.45,-11.35 2.175,-11.35 v2(2.6,-10.925) ; 0.3,-6.8 0.4,-6.9 4.15,-6.9 4.401,-7.151 4.401,-7.176 4.725,-7.5 R6_P.2@4.75,-7.5 4.775,-7.5 5.099,-7.176 R6_P.2@5.099,-7.126 ; 0.3,-4.9 0.4,-5 4.5,-5 R7_P.2@4.75,-4.75 4.775,-4.75 5.099,-5.074 5.099,-5.099 5.4,-5.4 8,-5.4 8.1,-5.3 ; R4_P.2@8.75,-6.75 8.725,-6.75 8.401,-6.426 8.401,-6.401 8.1,-6.1 8.1,-5.3 ; v2(10.9,0.613) 9.5,-0.787 9.5,-3 9.099,-3.401 9.099,-3.426 8.775,-3.75 R5_P.2@8.75,-3.75 8.725,-3.75 8.401,-4.074 8.401,-4.099 8.1,-4.4 8.1,-5.3
  Bottom Copper w0.254: v2(1.775,9.335) 0.3,7.86 0.3,-4.9 0.3,-6.8 0.3,-11.5 0.3,-22.8 v2(3.75,-26.25)
CSB_N: J_IMA_N.1
CSB_P: J_IMA_P.1
DRIVE_N: Q1_N.1 R_DRV_PD_N.2 U1_N.38 | length 3.9
  Top Copper w0.102: U1_N.38@-4.9,-8.6 -4.887,-8.587 -4.224,-8.587 -3.669,-8.031 -3.669,-6.869 v2(-2.8,-6)
DRIVE_P: Q1_P.1 R_DRV_PD_P.2 U1_P.38 | length 5.5
  Top Copper w0.102: v2(3.8,-10.1) U1_P.38@4.8,-10.1
  Bottom Copper w0.102: R_DRV_PD_P.2@2.699,-14.043 2.699,-12.307 2.999,-12.007 3.143,-12.007 3.8,-11.35 v2(3.8,-10.1)